# Altium PCB Axiom_Gamma_LSB.PcbDoc (part 4 of 4)
Units mm, origin at the board's own origin, x right, y up, seen from the top; angles counter-clockwise.
Board outline 111 x 121 mm, 4 copper layers (Component Side, Signal Layer, Ground Plane, Solder Side), stack 0.844 mm thick; 55 components, 86 nets, 485 pads, 241 vias.
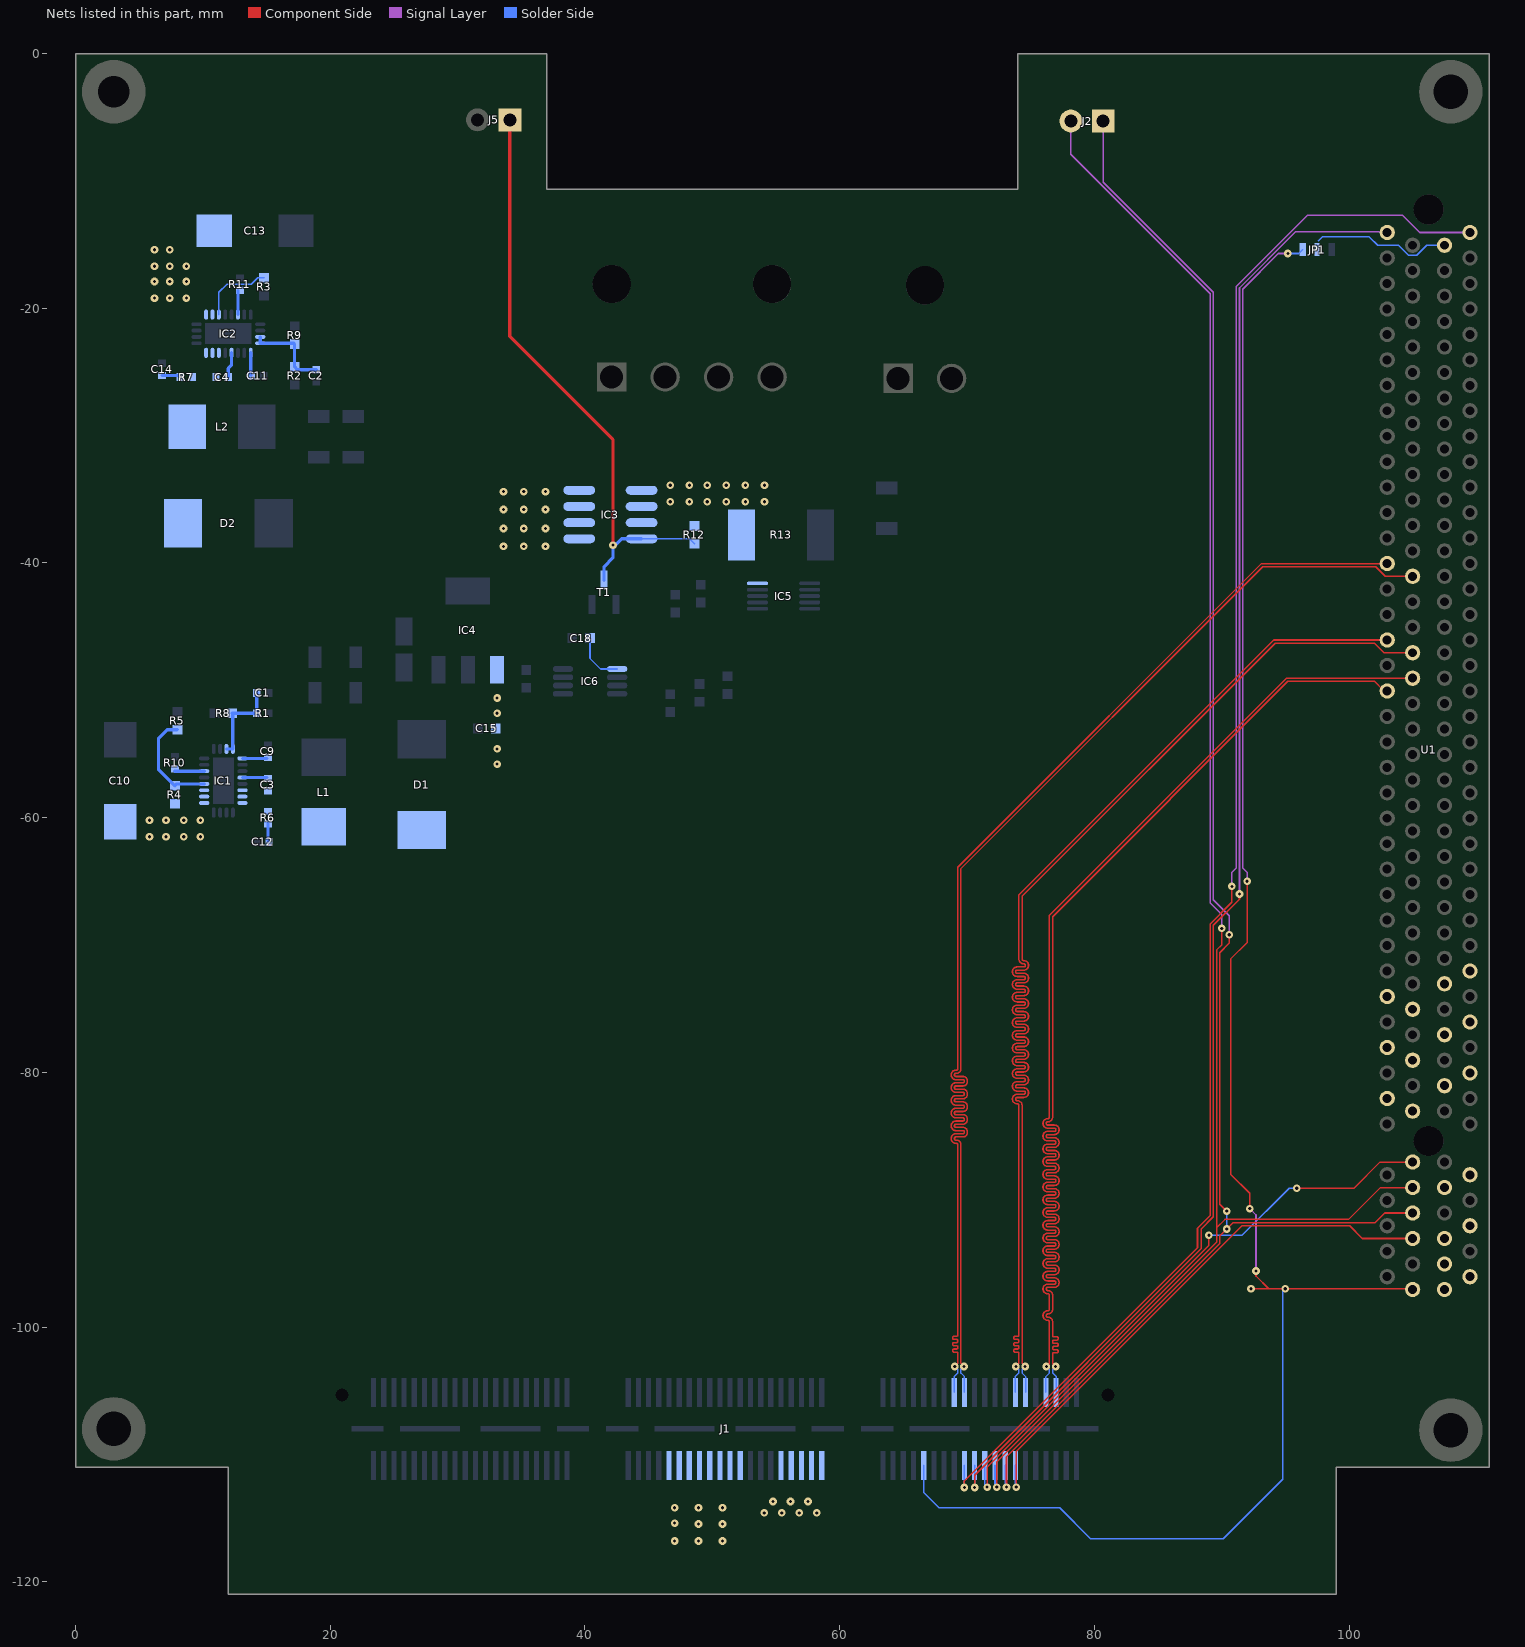
[diagram p6: the nets of this part, all layers, seen from the top]

## Via types
v1: diameter 0.6, hole 0.25, Component Side to Solder Side, 241 vias

## Nets (pads, with @x,y where several pads share a name; then routed paths per layer and width w, separated by ;. In a path a pad name is that pad's centre, name@x,y a point inside that pad or via, vN(x,y) a via of type N, cw(c..) or ccw(c..) an arc to the next point about the centre after c; other vN are vias at no path point) (continued)
LSIOM_LVDS_8_N: J1.14 U1.A50 | length 95.9
  Component Side w0.125: v1(73.839,-103.1) 74.076,-102.862 74.076,-102.1 74.076,-102.062 ccw(c73.989,-102.062) 73.989,-101.975 73.773,-101.975 cw(c73.773,-101.887) 73.685,-101.887 73.685,-101.812 cw(c73.773,-101.812) 73.773,-101.725 73.989,-101.725 ccw(c73.989,-101.637) 74.076,-101.637 74.076,-101.562 ccw(c73.989,-101.562) 73.989,-101.475 73.773,-101.475 cw(c73.773,-101.387) 73.685,-101.387 73.685,-101.312 cw(c73.773,-101.312) 73.773,-101.225 73.989,-101.225 ccw(c73.989,-101.137) 74.076,-101.137 74.076,-101.062 ccw(c73.989,-101.062) 73.989,-100.975 73.773,-100.975 cw(c73.773,-100.887) 73.685,-100.887 73.685,-100.812 cw(c73.773,-100.812) 73.773,-100.725 73.989,-100.725 ccw(c73.989,-100.637) 74.076,-100.637 74.076,-99.9 74.076,-82.6 ccw(c73.951,-82.6) 73.951,-82.475 ; 73.943,-82.475 cw(c73.943,-82.1) 73.568,-82.1 cw(c73.943,-82.1) 73.943,-81.725 74.459,-81.725 ccw(c74.459,-81.6) 74.584,-81.6 ccw(c74.459,-81.6) 74.459,-81.475 73.943,-81.475 cw(c73.943,-81.1) 73.568,-81.1 cw(c73.943,-81.1) 73.943,-80.725 74.459,-80.725 ccw(c74.459,-80.6) 74.584,-80.6 ccw(c74.459,-80.6) 74.459,-80.475 73.943,-80.475 cw(c73.943,-80.1) 73.568,-80.1 cw(c73.943,-80.1) 73.943,-79.725 74.459,-79.725 ccw(c74.459,-79.6) 74.584,-79.6 ccw(c74.459,-79.6) 74.459,-79.475 73.943,-79.475 cw(c73.943,-79.1) 73.568,-79.1 cw(c73.943,-79.1) 73.943,-78.725 74.459,-78.725 ccw(c74.459,-78.6) 74.584,-78.6 ccw(c74.459,-78.6) 74.459,-78.475 73.943,-78.475 cw(c73.943,-78.1) 73.568,-78.1 cw(c73.943,-78.1) 73.943,-77.725 74.459,-77.725 ccw(c74.459,-77.6) 74.584,-77.6 ccw(c74.459,-77.6) 74.459,-77.475 73.943,-77.475 cw(c73.943,-77.1) 73.568,-77.1 cw(c73.943,-77.1) 73.943,-76.725 74.459,-76.725 ccw(c74.459,-76.6) 74.584,-76.6 ccw(c74.459,-76.6) 74.459,-76.475 73.943,-76.475 cw(c73.943,-76.1) 73.568,-76.1 cw(c73.943,-76.1) 73.943,-75.725 74.459,-75.725 ccw(c74.459,-75.6) 74.584,-75.6 ccw(c74.459,-75.6) 74.459,-75.475 73.943,-75.475 cw(c73.943,-75.1) 73.568,-75.1 cw(c73.943,-75.1) 73.943,-74.725 74.459,-74.725 ccw(c74.459,-74.6) 74.584,-74.6 ; 74.451,-71.475 cw(c74.451,-71.1) 74.076,-71.1 74.076,-66.07 94.096,-46.05 102,-46.05 U1.A50@103,-46.05 ; 74.459,-71.475 cw(c74.459,-71.6) 74.584,-71.6 cw(c74.459,-71.6) 74.459,-71.725 73.943,-71.725 ccw(c73.943,-72.1) 73.568,-72.1 ccw(c73.943,-72.1) 73.943,-72.475 74.459,-72.475 cw(c74.459,-72.6) 74.584,-72.6 cw(c74.459,-72.6) 74.459,-72.725 73.943,-72.725 ccw(c73.943,-73.1) 73.568,-73.1 ccw(c73.943,-73.1) 73.943,-73.475 74.459,-73.475 cw(c74.459,-73.6) 74.584,-73.6 cw(c74.459,-73.6) 74.459,-73.725 73.943,-73.725 ccw(c73.943,-74.1) 73.568,-74.1 ccw(c73.943,-74.1) 73.943,-74.475 74.459,-74.475 cw(c74.459,-74.6) 74.584,-74.6
  Solder Side w0.125: J1.14@73.801,-105.135 73.801,-103.893 74.076,-103.618 74.076,-103.3 73.876,-103.1 v1(73.839,-103.1)
LSIOM_LVDS_8_P: J1.12 U1.A49 | length 95.9
  Component Side w0.125: 73.943,-82.225 cw(c73.943,-82.1) 73.818,-82.1 cw(c73.943,-82.1) 73.943,-81.975 74.459,-81.975 ccw(c74.459,-81.6) 74.834,-81.6 ccw(c74.459,-81.6) 74.459,-81.225 73.943,-81.225 cw(c73.943,-81.1) 73.818,-81.1 cw(c73.943,-81.1) 73.943,-80.975 74.459,-80.975 ccw(c74.459,-80.6) 74.834,-80.6 ccw(c74.459,-80.6) 74.459,-80.225 73.943,-80.225 cw(c73.943,-80.1) 73.818,-80.1 cw(c73.943,-80.1) 73.943,-79.975 74.459,-79.975 ccw(c74.459,-79.6) 74.834,-79.6 ccw(c74.459,-79.6) 74.459,-79.225 73.943,-79.225 cw(c73.943,-79.1) 73.818,-79.1 cw(c73.943,-79.1) 73.943,-78.975 74.459,-78.975 ccw(c74.459,-78.6) 74.834,-78.6 ccw(c74.459,-78.6) 74.459,-78.225 73.943,-78.225 cw(c73.943,-78.1) 73.818,-78.1 cw(c73.943,-78.1) 73.943,-77.975 74.459,-77.975 ccw(c74.459,-77.6) 74.834,-77.6 ccw(c74.459,-77.6) 74.459,-77.225 73.943,-77.225 cw(c73.943,-77.1) 73.818,-77.1 cw(c73.943,-77.1) 73.943,-76.975 74.459,-76.975 ccw(c74.459,-76.6) 74.834,-76.6 ccw(c74.459,-76.6) 74.459,-76.225 73.943,-76.225 cw(c73.943,-76.1) 73.818,-76.1 cw(c73.943,-76.1) 73.943,-75.975 74.459,-75.975 ccw(c74.459,-75.6) 74.834,-75.6 ccw(c74.459,-75.6) 74.459,-75.225 73.943,-75.225 cw(c73.943,-75.1) 73.818,-75.1 cw(c73.943,-75.1) 73.943,-74.975 74.459,-74.975 ccw(c74.459,-74.6) 74.834,-74.6 ; 73.951,-82.225 cw(c73.951,-82.6) 74.326,-82.6 74.326,-99.9 74.326,-100.637 74.326,-101.062 74.326,-101.137 74.326,-101.562 74.326,-101.637 74.326,-102.062 74.326,-102.1 74.326,-102.863 v1(74.564,-103.1) ; 74.451,-71.225 cw(c74.451,-71.1) 74.326,-71.1 74.326,-66.174 94.2,-46.3 102,-46.3 102.75,-47.05 U1.A49@105,-47.05 ; 74.459,-71.225 cw(c74.459,-71.6) 74.834,-71.6 cw(c74.459,-71.6) 74.459,-71.975 73.943,-71.975 ccw(c73.943,-72.1) 73.818,-72.1 ccw(c73.943,-72.1) 73.943,-72.225 74.459,-72.225 cw(c74.459,-72.6) 74.834,-72.6 cw(c74.459,-72.6) 74.459,-72.975 73.943,-72.975 ccw(c73.943,-73.1) 73.818,-73.1 ccw(c73.943,-73.1) 73.943,-73.225 74.459,-73.225 cw(c74.459,-73.6) 74.834,-73.6 cw(c74.459,-73.6) 74.459,-73.975 73.943,-73.975 ccw(c73.943,-74.1) 73.818,-74.1 ccw(c73.943,-74.1) 73.943,-74.225 74.459,-74.225 cw(c74.459,-74.6) 74.834,-74.6
  Solder Side w0.125: v1(74.564,-103.1) 74.526,-103.1 74.326,-103.3 74.326,-103.618 74.601,-103.893 J1.12@74.601,-105.135
LSIOM_LVDS_9_N: J1.8 U1.A47 | length 96
  Component Side w0.125: v1(76.239,-103.1) 76.476,-102.862 76.476,-100.687 76.476,-99.6 ccw(c76.351,-99.6) 76.351,-99.475 ; 76.343,-99.475 cw(c76.343,-99.1) 75.968,-99.1 cw(c76.343,-99.1) 76.343,-98.725 ; 76.343,-97.387 cw(c76.343,-97.012) 75.968,-97.012 cw(c76.343,-97.012) 76.343,-96.637 76.859,-96.637 ccw(c76.859,-96.512) 76.984,-96.512 ccw(c76.859,-96.512) 76.859,-96.387 76.343,-96.387 cw(c76.343,-96.012) 75.968,-96.012 cw(c76.343,-96.012) 76.343,-95.637 76.859,-95.637 ccw(c76.859,-95.512) 76.984,-95.512 ccw(c76.859,-95.512) 76.859,-95.387 76.343,-95.387 cw(c76.343,-95.012) 75.968,-95.012 cw(c76.343,-95.012) 76.343,-94.637 76.859,-94.637 ccw(c76.859,-94.512) 76.984,-94.512 ccw(c76.859,-94.512) 76.859,-94.387 76.343,-94.387 cw(c76.343,-94.012) 75.968,-94.012 cw(c76.343,-94.012) 76.343,-93.637 76.859,-93.637 ccw(c76.859,-93.512) 76.984,-93.512 ccw(c76.859,-93.512) 76.859,-93.387 76.343,-93.387 cw(c76.343,-93.012) 75.968,-93.012 cw(c76.343,-93.012) 76.343,-92.637 76.859,-92.637 ccw(c76.859,-92.512) 76.984,-92.512 ccw(c76.859,-92.512) 76.859,-92.387 76.343,-92.387 cw(c76.343,-92.012) 75.968,-92.012 cw(c76.343,-92.012) 76.343,-91.637 76.859,-91.637 ccw(c76.859,-91.512) 76.984,-91.512 ccw(c76.859,-91.512) 76.859,-91.387 76.343,-91.387 cw(c76.343,-91.012) 75.968,-91.012 cw(c76.343,-91.012) 76.343,-90.637 76.859,-90.637 ccw(c76.859,-90.512) 76.984,-90.512 ccw(c76.859,-90.512) 76.859,-90.387 76.343,-90.387 cw(c76.343,-90.012) 75.968,-90.012 cw(c76.343,-90.012) 76.343,-89.637 76.859,-89.637 ccw(c76.859,-89.512) 76.984,-89.512 ccw(c76.859,-89.512) 76.859,-89.387 76.343,-89.387 cw(c76.343,-89.012) 75.968,-89.012 cw(c76.343,-89.012) 76.343,-88.637 76.859,-88.637 ccw(c76.859,-88.512) 76.984,-88.512 ccw(c76.859,-88.512) 76.859,-88.387 76.343,-88.387 cw(c76.343,-88.012) 75.968,-88.012 cw(c76.343,-88.012) 76.343,-87.637 76.859,-87.637 ccw(c76.859,-87.512) 76.984,-87.512 ccw(c76.859,-87.512) 76.859,-87.387 76.343,-87.387 cw(c76.343,-87.012) 75.968,-87.012 cw(c76.343,-87.012) 76.343,-86.637 76.859,-86.637 ccw(c76.859,-86.512) 76.984,-86.512 ccw(c76.859,-86.512) 76.859,-86.387 76.343,-86.387 cw(c76.343,-86.012) 75.968,-86.012 cw(c76.343,-86.012) 76.343,-85.637 76.859,-85.637 ccw(c76.859,-85.512) 76.984,-85.512 ccw(c76.859,-85.512) 76.859,-85.387 76.343,-85.387 cw(c76.343,-85.012) 75.968,-85.012 cw(c76.343,-85.012) 76.343,-84.637 76.859,-84.637 ccw(c76.859,-84.512) 76.984,-84.512 ccw(c76.859,-84.512) 76.859,-84.387 76.343,-84.387 cw(c76.343,-84.012) 75.968,-84.012 cw(c76.343,-84.012) 76.343,-83.637 ; 76.351,-98.725 ccw(c76.351,-98.6) 76.476,-98.6 76.476,-98.2 76.476,-97.512 ccw(c76.351,-97.512) 76.351,-97.387 ; 76.351,-83.637 ccw(c76.351,-83.512) 76.476,-83.512 76.476,-67.67 95.096,-49.05 102,-49.05 U1.A47@105,-49.05
  Solder Side w0.125: J1.8@76.201,-105.135 76.201,-103.893 76.476,-103.618 76.476,-103.337 v1(76.239,-103.1)
LSIOM_LVDS_9_P: J1.6 U1.A46 | length 96
  Component Side w0.125: 76.343,-99.225 cw(c76.343,-99.1) 76.218,-99.1 cw(c76.343,-99.1) 76.343,-98.975 ; 76.343,-97.137 cw(c76.343,-97.012) 76.218,-97.012 cw(c76.343,-97.012) 76.343,-96.887 76.859,-96.887 ccw(c76.859,-96.512) 77.234,-96.512 ccw(c76.859,-96.512) 76.859,-96.137 76.343,-96.137 cw(c76.343,-96.012) 76.218,-96.012 cw(c76.343,-96.012) 76.343,-95.887 76.859,-95.887 ccw(c76.859,-95.512) 77.234,-95.512 ccw(c76.859,-95.512) 76.859,-95.137 76.343,-95.137 cw(c76.343,-95.012) 76.218,-95.012 cw(c76.343,-95.012) 76.343,-94.887 76.859,-94.887 ccw(c76.859,-94.512) 77.234,-94.512 ccw(c76.859,-94.512) 76.859,-94.137 76.343,-94.137 cw(c76.343,-94.012) 76.218,-94.012 cw(c76.343,-94.012) 76.343,-93.887 76.859,-93.887 ccw(c76.859,-93.512) 77.234,-93.512 ccw(c76.859,-93.512) 76.859,-93.137 76.343,-93.137 cw(c76.343,-93.012) 76.218,-93.012 cw(c76.343,-93.012) 76.343,-92.887 76.859,-92.887 ccw(c76.859,-92.512) 77.234,-92.512 ccw(c76.859,-92.512) 76.859,-92.137 76.343,-92.137 cw(c76.343,-92.012) 76.218,-92.012 cw(c76.343,-92.012) 76.343,-91.887 76.859,-91.887 ccw(c76.859,-91.512) 77.234,-91.512 ccw(c76.859,-91.512) 76.859,-91.137 76.343,-91.137 cw(c76.343,-91.012) 76.218,-91.012 cw(c76.343,-91.012) 76.343,-90.887 76.859,-90.887 ccw(c76.859,-90.512) 77.234,-90.512 ccw(c76.859,-90.512) 76.859,-90.137 76.343,-90.137 cw(c76.343,-90.012) 76.218,-90.012 cw(c76.343,-90.012) 76.343,-89.887 76.859,-89.887 ccw(c76.859,-89.512) 77.234,-89.512 ccw(c76.859,-89.512) 76.859,-89.137 76.343,-89.137 cw(c76.343,-89.012) 76.218,-89.012 cw(c76.343,-89.012) 76.343,-88.887 76.859,-88.887 ccw(c76.859,-88.512) 77.234,-88.512 ccw(c76.859,-88.512) 76.859,-88.137 76.343,-88.137 cw(c76.343,-88.012) 76.218,-88.012 cw(c76.343,-88.012) 76.343,-87.887 76.859,-87.887 ccw(c76.859,-87.512) 77.234,-87.512 ccw(c76.859,-87.512) 76.859,-87.137 76.343,-87.137 cw(c76.343,-87.012) 76.218,-87.012 cw(c76.343,-87.012) 76.343,-86.887 76.859,-86.887 ccw(c76.859,-86.512) 77.234,-86.512 ccw(c76.859,-86.512) 76.859,-86.137 76.343,-86.137 cw(c76.343,-86.012) 76.218,-86.012 cw(c76.343,-86.012) 76.343,-85.887 76.859,-85.887 ccw(c76.859,-85.512) 77.234,-85.512 ccw(c76.859,-85.512) 76.859,-85.137 76.343,-85.137 cw(c76.343,-85.012) 76.218,-85.012 cw(c76.343,-85.012) 76.343,-84.887 76.859,-84.887 ccw(c76.859,-84.512) 77.234,-84.512 ccw(c76.859,-84.512) 76.859,-84.137 76.343,-84.137 cw(c76.343,-84.012) 76.218,-84.012 cw(c76.343,-84.012) 76.343,-83.887 ; 76.351,-99.225 cw(c76.351,-99.6) 76.726,-99.6 76.726,-100.687 ccw(c76.814,-100.687) 76.814,-100.775 77.065,-100.775 cw(c77.065,-100.862) 77.152,-100.862 77.152,-100.937 cw(c77.065,-100.937) 77.065,-101.025 76.814,-101.025 ccw(c76.814,-101.112) 76.726,-101.112 76.726,-101.187 ccw(c76.814,-101.187) 76.814,-101.275 77.065,-101.275 cw(c77.065,-101.362) 77.152,-101.362 77.152,-101.437 cw(c77.065,-101.437) 77.065,-101.525 76.814,-101.525 ccw(c76.814,-101.612) 76.726,-101.612 76.726,-101.687 ccw(c76.814,-101.687) 76.814,-101.775 77.065,-101.775 cw(c77.065,-101.862) 77.152,-101.862 77.152,-101.937 cw(c77.065,-101.937) 77.065,-102.025 76.814,-102.025 ccw(c76.814,-102.112) 76.726,-102.112 76.726,-102.275 76.726,-102.4 76.726,-102.863 v1(76.964,-103.1) ; 76.351,-98.975 ccw(c76.351,-98.6) 76.726,-98.6 76.726,-98.2 76.726,-97.512 ccw(c76.351,-97.512) 76.351,-97.137 ; 76.351,-83.887 ccw(c76.351,-83.512) 76.726,-83.512 76.726,-67.774 95.2,-49.3 102,-49.3 102.75,-50.05 U1.A46@103,-50.05
  Solder Side w0.125: v1(76.964,-103.1) 76.726,-103.337 76.726,-103.618 77.001,-103.893 J1.6@77.001,-105.135
LSIOM_LVDS_SSCLK_N: J1.26 U1.A56 | length 95.9
  Component Side w0.125: v1@69.076,-103.1 v1(69.039,-103.1) 69.276,-102.862 69.276,-102.1 69.276,-102.062 ccw(c69.189,-102.062) 69.189,-101.975 68.979,-101.975 cw(c68.979,-101.887) 68.892,-101.887 68.892,-101.812 cw(c68.979,-101.812) 68.979,-101.725 69.189,-101.725 ccw(c69.189,-101.637) 69.276,-101.637 69.276,-101.562 ccw(c69.189,-101.562) 69.189,-101.475 68.979,-101.475 cw(c68.979,-101.387) 68.892,-101.387 68.892,-101.312 cw(c68.979,-101.312) 68.979,-101.225 69.189,-101.225 ccw(c69.189,-101.137) 69.276,-101.137 69.276,-101.062 ccw(c69.189,-101.062) 69.189,-100.975 68.979,-100.975 cw(c68.979,-100.887) 68.892,-100.887 68.892,-100.812 cw(c68.979,-100.812) 68.979,-100.725 69.189,-100.725 ccw(c69.189,-100.637) 69.276,-100.637 69.276,-98.2 69.276,-85.675 ccw(c69.176,-85.675) 69.176,-85.575 69.118,-85.575 cw(c69.118,-85.225) 68.768,-85.225 68.768,-85.175 cw(c69.118,-85.175) 69.118,-84.825 69.684,-84.825 ccw(c69.684,-84.725) 69.784,-84.725 69.784,-84.675 ccw(c69.684,-84.675) 69.684,-84.575 69.118,-84.575 cw(c69.118,-84.225) 68.768,-84.225 68.768,-84.175 cw(c69.118,-84.175) 69.118,-83.825 69.684,-83.825 ccw(c69.684,-83.725) 69.784,-83.725 69.784,-83.675 ccw(c69.684,-83.675) 69.684,-83.575 69.118,-83.575 cw(c69.118,-83.225) 68.768,-83.225 68.768,-83.175 cw(c69.118,-83.175) 69.118,-82.825 69.684,-82.825 ccw(c69.684,-82.725) 69.784,-82.725 69.784,-82.675 ccw(c69.684,-82.675) 69.684,-82.575 69.118,-82.575 cw(c69.118,-82.225) 68.768,-82.225 68.768,-82.175 cw(c69.118,-82.175) 69.118,-81.825 69.684,-81.825 ccw(c69.684,-81.725) 69.784,-81.725 69.784,-81.675 ccw(c69.684,-81.675) 69.684,-81.575 69.118,-81.575 cw(c69.118,-81.225) 68.768,-81.225 68.768,-81.175 cw(c69.118,-81.175) 69.118,-80.825 69.684,-80.825 ccw(c69.684,-80.725) 69.784,-80.725 69.784,-80.675 ccw(c69.684,-80.675) 69.684,-80.575 69.118,-80.575 cw(c69.118,-80.225) 68.768,-80.225 68.768,-80.175 cw(c69.118,-80.175) 69.118,-79.825 69.176,-79.825 ccw(c69.176,-79.725) 69.276,-79.725 69.276,-63.896 93.123,-40.05 102.1,-40.05 U1.A56@103,-40.05
  Solder Side w0.125: J1.26@69.001,-105.135 69.001,-103.893 69.276,-103.618 69.276,-103.3 69.076,-103.1 v1(69.039,-103.1)
LSIOM_LVDS_SSCLK_P: J1.24 U1.A55 | length 95.9
  Component Side w0.125: v1(69.764,-103.1) 69.526,-102.863 69.526,-102.1 69.526,-102.062 69.526,-101.637 69.526,-101.562 69.526,-101.137 69.526,-101.062 69.526,-100.637 69.526,-98.2 69.526,-85.675 ccw(c69.176,-85.675) 69.176,-85.325 69.118,-85.325 cw(c69.118,-85.225) 69.018,-85.225 69.018,-85.175 cw(c69.118,-85.175) 69.118,-85.075 69.684,-85.075 ccw(c69.684,-84.725) 70.034,-84.725 70.034,-84.675 ccw(c69.684,-84.675) 69.684,-84.325 69.118,-84.325 cw(c69.118,-84.225) 69.018,-84.225 69.018,-84.175 cw(c69.118,-84.175) 69.118,-84.075 69.684,-84.075 ccw(c69.684,-83.725) 70.034,-83.725 70.034,-83.675 ccw(c69.684,-83.675) 69.684,-83.325 69.118,-83.325 cw(c69.118,-83.225) 69.018,-83.225 69.018,-83.175 cw(c69.118,-83.175) 69.118,-83.075 69.684,-83.075 ccw(c69.684,-82.725) 70.034,-82.725 70.034,-82.675 ccw(c69.684,-82.675) 69.684,-82.325 69.118,-82.325 cw(c69.118,-82.225) 69.018,-82.225 69.018,-82.175 cw(c69.118,-82.175) 69.118,-82.075 69.684,-82.075 ccw(c69.684,-81.725) 70.034,-81.725 70.034,-81.675 ccw(c69.684,-81.675) 69.684,-81.325 69.118,-81.325 cw(c69.118,-81.225) 69.018,-81.225 69.018,-81.175 cw(c69.118,-81.175) 69.118,-81.075 69.684,-81.075 ccw(c69.684,-80.725) 70.034,-80.725 70.034,-80.675 ccw(c69.684,-80.675) 69.684,-80.325 69.118,-80.325 cw(c69.118,-80.225) 69.018,-80.225 69.018,-80.175 cw(c69.118,-80.175) 69.118,-80.075 69.176,-80.075 ccw(c69.176,-79.725) 69.526,-79.725 69.526,-64 93.226,-40.3 102.1,-40.3 102.85,-41.05 U1.A55@105,-41.05
  Solder Side w0.125: v1(69.764,-103.1) 69.726,-103.1 69.526,-103.3 69.526,-103.618 69.801,-103.893 J1.24@69.801,-105.135
LSIOM_PRSNT: JP1.2 U1.B81 | length 11
  Solder Side w0.125: JP1.2@97.46,-15.036 JP1.2@97.474,-15.05 ; 97.6,-14.7 97.9,-14.4 101.6,-14.4 102.25,-15.05 103.886,-15.05 104.674,-15.838 105.326,-15.838 106.114,-15.05 U1.B81@107.5,-15.05
LSIOM_SCL: J1.21 U1.A82 | length 118
  Component Side w0.125: v1@70.6,-112.5 v1(70.6,-112.6) 70.6,-111.632 88.4,-93.832 88.4,-92.3 89.35,-91.35 89.35,-68.45 91.4,-66.4 v1(91.4,-66)
  Signal Layer w0.125: v1(91.4,-66) 91.4,-18.4 95.8,-14 U1.A82@102.95,-14
  Solder Side w0.125: v1@70.601,-112.599 J1.21@70.601,-110.865
LSIOM_SDA: J1.23 U1.B82 | length 126.2
  Component Side w0.125: v1@69.8,-112.5 v1(69.8,-112.6) 69.8,-112.079 88.1,-93.779 88.1,-92.246 89.1,-91.246 89.1,-68.346 90.8,-66.647 v1(90.8,-65.4)
  Signal Layer w0.125: v1(90.8,-65.4) 90.8,-64.3 91.15,-63.95 91.15,-18.296 96.746,-12.7 104.2,-12.7 105.55,-14.05 U1.B82@109.5,-14.05
  Solder Side w0.125: v1@69.801,-112.599 J1.23@69.801,-110.865
LSIOM_TCK: J1.13 U1.A5 | length 43.3
  Component Side w0.125: v1(73.866,-112.572) 73.866,-109.78 91.596,-92.05 100.05,-92.05 101.05,-93.05 U1.A5@105,-93.05
  Solder Side w0.125: v1@73.801,-112.507 J1.13@73.801,-110.865
LSIOM_TDI: J1.15 J2.1 U1.A7 | length 135.9
  Component Side w0.125: v1(73.104,-112.572) 73.104,-110.189 89.85,-93.443 89.85,-92.85 v1(90.4,-92.3) 90.9,-91.8 102.06,-91.8 102.81,-91.05 U1.A7@105,-91.05 ; v1(90.4,-90.9) 89.85,-90.35 89.85,-70.6 90.6,-69.85 v1(90.6,-69.2)
  Signal Layer w0.125: J2.1@80.7,-5.3 80.7,-10.1 89.35,-18.75 89.35,-66.45 90.6,-67.7 v1(90.6,-69.2) ; v1(90.4,-92.3) 90.5,-92.2 v1@90.4,-92.1
  Solder Side w0.125: v1@73.001,-112.469 J1.15@73.001,-110.865 ; v1@90.4,-92.1 v1(90.4,-90.9)
LSIOM_TDO: J1.17 J2.2 U1.A9 | length 137.8
  Component Side w0.125: v1(72.342,-112.572) 72.342,-110.597 89.6,-93.339 89.6,-92.211 ; v1(90,-68.7) 90,-70 89.6,-70.4 89.6,-92.211 ; U1.A9@105,-89.05 102.468,-89.05 99.968,-91.55 90.261,-91.55 89.6,-92.211
  Signal Layer w0.125: J2.2@78.16,-5.3 78.16,-7.914 89.1,-18.854 89.1,-66.7 90,-67.6 v1(90,-68.7)
  Solder Side w0.125: v1@72.201,-112.431 J1.17@72.201,-110.865
LSIOM_TMS: J1.19 U1.A11 | length 46.9
  Component Side w0.125: v1(71.58,-112.572) 71.58,-111.006 89,-93.586 v1(89,-92.8) ; v1(95.9,-89.1) 100.386,-89.1 102.436,-87.05 U1.A11@105,-87.05
  Solder Side w0.125: v1@71.401,-112.393 J1.19@71.401,-110.865 ; v1(89,-92.8) 91.6,-92.8 95.3,-89.1 v1(95.9,-89.1)
NetC1_2: C1.2 IC1.23 IC1.24 R1.1 R8.1 | length 6.8
  Solder Side w0.254: IC1.23@11.85,-54.6 IC1.24@12.35,-54.6 R8.1@12.35,-51.851 ; R8.1@12.298,-51.8 R1.1@14.22,-51.8 C1.2@14.22,-50.2
NetC2_2: C2.2 IC2.23 IC2.24 R2.2 R9.2 | length 6.7
  Solder Side w0.254: IC2.23@14.5,-22.25 IC2.24@14.5,-22.75 R9.2@17.151,-22.75 ; R9.2@17.2,-22.798 R2.2@17.2,-24.602 17.418,-24.82 C2.2@18.9,-24.82
NetC3_1: C3.1 D1.C IC1.6 IC1.7 IC1.8 L1.1 R6.2
NetC3_2: C3.2 IC1.4 | length 1.9
  Solder Side w0.254: IC1.4@13.1,-56.85 C3.2@15.03,-56.85
NetC4_1: C4.1 D2.C IC2.6 IC2.7 IC2.8 L2.1 R7.2
NetC4_2: C4.2 IC2.4 | length 2
  Solder Side w0.254: C4.2@11.98,-25.4 11.98,-24.72 12.25,-24.45 IC2.4@12.25,-23.5
NetC9_2: C9.2 IC1.1 | length 1.9
  Solder Side w0.254: IC1.1@13.1,-55.35 C9.2@15.03,-55.35
NetC11_2: C11.2 IC2.1 | length 1.8
  Solder Side w0.125: C11.2@13.75,-25.23 C11.2@13.82,-25.3
  Solder Side w0.254: C11.2@13.75,-25.23 IC2.1@13.75,-23.5
NetC12_2: C12.2 R6.1 | length 1.3
  Solder Side w0.254: C12.2@15.1,-61.82 R6.1@15.1,-60.48
NetC14_2: C14.2 R7.1 | length 1.5
  Solder Side w0.254: C14.2@6.8,-25.28 8.1,-25.28 R7.1@8.22,-25.4
NetC18_1: C18.1 IC6.5 | length 4.1
  Solder Side w0.125: C18.1@40.398,-45.9 40.398,-47.498 41.225,-48.325 IC6.5@42.525,-48.325
NetIC1_16: IC1.16 R4.1 R5.2 | length 8.4
  Solder Side w0.254: R5.2@7.978,-53.076 7.955,-53.098 7.202,-53.098 6.502,-53.799 6.502,-56.203 R4.1@7.8,-57.502 7.952,-57.35 IC1.16@10.1,-57.35
NetIC1_18: IC1.18 R10.2 | length 2.3
  Solder Side w0.254: R10.2@7.77,-56.35 IC1.18@10.1,-56.35
NetIC2_18: IC2.18 R11.2 | length 1.9
  Solder Side w0.254: IC2.18@12.75,-20.5 R11.2@12.75,-18.63
NetIC3_4: IC3.4 J5.1 R12.1 T1.3 | length 46.6
  Component Side w0.254: J5.1@34.1,-5.2 34.1,-22.2 42.198,-30.298 v1(42.198,-38.6)
  Solder Side w0.125: IC3.4@44.45,-38.105 48.206,-38.105 R12.1@48.6,-38.499
  Solder Side w0.254: T1.3@41.5,-41.35 41.5,-40.3 42.198,-39.602 v1@42.198,-38.803 ; v1(42.198,-38.6) v1@42.198,-38.803 ; IC3.4@44.45,-38.105 42.895,-38.105 v1@42.198,-38.803
VCC_3.3: J1.31 JP1.3 U1.A1 | length 149.2
  Component Side w0.125: v1(92,-65) 92,-69.8 90.7,-71.1 90.7,-88 92.2,-89.5 v1(92.2,-90.7) ; v1(92.3,-97) U1.A1@104.95,-97 ; v1(92.7,-95.6) 92.7,-96 93.7,-97 v1(95,-97)
  Signal Layer w0.125: v1(92,-65) 92,-64.3 91.65,-63.95 91.65,-18.504 94.454,-15.7 v1(95.2,-15.7) ; v1(92.2,-90.7) 92.7,-91.2 v1(92.7,-95.6) ; v1(92.3,-97) v1@92.35,-96.95
  Solder Side w0.125: J1.31@66.601,-110.865 66.601,-112.999 67.803,-114.2 77.282,-114.2 79.706,-116.624 90.124,-116.624 94.8,-111.948 94.8,-97.2 v1(95,-97) ; v1(95.2,-15.7) 96.057,-15.7 JP1.3@96.357,-15.4
VCC_7.4_LSIOM: J1.41 J1.43 J1.45 J1.47 J1.49 U1.B1 U1.B2 U1.B3 U1.B5 U1.B6 U1.B9 U1.B10
  other v1: 54.086,-114.6 55.457,-114.6 56.829,-114.6 58.2,-114.6 54.771,-113.7 56.143,-113.7 57.514,-113.7
VCC_BACKPLANE: IC3.5 IC3.6 IC3.7 IC3.8 U1.A13 U1.A14 U1.A17 U1.A18 U1.A21 U1.A22 U1.B15 U1.B16 U1.B19 U1.B20 U1.B23 U1.B24
  other v1: 33.6,-38.7 35.2,-38.7 36.9,-38.7 33.6,-37.3 35.2,-37.3 36.9,-37.3 33.6,-35.8 35.2,-35.8 36.9,-35.8 33.6,-34.4 35.2,-34.4 36.9,-34.4
VCC_BATT: C10.1 C13.1 C15.1 IC1.13 IC1.14 IC1.15 IC2.13 IC2.14 IC2.15 IC3.1 IC3.2 IC3.3 IC4.1 IC5.10 J1.57 J1.59 J1.61 J1.63 J1.65 J1.67 J1.69 J1.71 R3.2 R4.2 R12.2 R13.2 | length 5.8
  Solder Side w0.125: IC2.15@11.25,-20.5 11.25,-18.75 11.893,-18.107 13.8,-18.107 14.306,-17.601 R3.2@14.8,-17.601
  other v1: 47.04,-116.8 48.92,-116.8 50.8,-116.8 48.92,-115.467 50.8,-115.467 47.04,-115.4 47.04,-114.197 48.92,-114.197 50.8,-114.2 5.8,-61.5 7.1,-61.5 8.5,-61.5 9.8,-61.5 5.8,-60.2 7.1,-60.2 8.5,-60.2 9.8,-60.2 33.1,-55.8 33.1,-54.6 33.1,-51.8 33.1,-50.6 46.7,-35.2 48.2,-35.2 49.6,-35.2 51.1,-35.2 52.6,-35.2 54.1,-35.2 46.7,-33.9 48.2,-33.9 49.6,-33.9 51.1,-33.9 52.6,-33.9 54.1,-33.9 6.2,-19.2 7.4,-19.2 8.7,-19.2 6.2,-17.9 7.4,-17.9 8.7,-17.9 6.2,-16.7 7.4,-16.7 8.7,-16.7 6.2,-15.4 7.4,-15.4
pads on no net: IC1.3 IC1.5 IC1.9 IC1.10 IC1.11 IC1.12 IC1.17 IC1.19 IC1.22 IC2.3 IC2.5 IC2.9 IC2.10 IC2.11 IC2.12 IC2.17 IC2.22 IC5.8 J1.0 J1.2 J1.25 J1.27 J1.29 J1.42 J1.51 J1.53 J1.55 J1.73 J1.75 J1.81 J1.82 J1.85 J1.86 J1.87 J1.88 J3. J4. U1. U1.A25 U1.A26 U1.A29 U1.A30 U1.A33 U1.A34 U1.A37 U1.A38 U1.A41 U1.A42 U1.A79 U1.A80 U1.B11 U1.B27 U1.B28 U1.B31 U1.B32 U1.B35 U1.B36 U1.B39 U1.B40 U1.B43 U1.B44

## Polygon pours and split planes (outlines as drawn)
VCC_BATT on Signal Layer "Signal Layer-No Net" (solid, pour order 56): 51.6,-118.7 13.4,-118.7 13.4,-105.7 13.4,-103 1.6,-103 4.3,-103 4.3,-59.5 10.7,-59.5 10.7,-95.2 10.7,-96.9 17.4,-96.9 19,-96.9 19,-113.9 19,-113.5 51.6,-113.5
VCC_7.4_LSIOM on Signal Layer "Signal Layer-No Net" (solid, pour order 62): 18 vertices, not listed, extent 52.5,-118 110.5,-87
VCC_BATT on Signal Layer "Signal Layer-No Net" (solid, pour order 65): 4.3,-62.6 4.3,-14.2 9.9,-14.2 10.7,-14.2 10.7,-62.6
VCC_BATT on Signal Layer "Signal Layer-No Net" (solid, pour order 68): 54.9,-36 54.9,-28.9 43,-28.9 8.7,-28.9 8.7,-33.6 8.7,-32.8 37.5,-32.8 45.1,-32.8 45.1,-36
VCC_BACKPLANE on Signal Layer "Signal Layer-No Net" (solid, pour order 73): 19 vertices, not listed, extent 32.5,-84 110.5,-33.5
VCC_BATT on Signal Layer "Signal Layer-No Net" (solid, pour order 74): 32,-50 34,-50 34,-58.5 34,-62.5 8.4,-62.5 8.4,-59.5 28,-59.5 31.5,-59.5 31.5,-50
GND on Solder Side "Signal Layer-No Net" (solid, pour order 60): 19.6,-9.8 14.9,-9.8 14.9,-15.9 14.9,-15.747 19.6,-15.747
2V on Solder Side "Signal Layer-No Net" (solid, pour order 81): 19 vertices, not listed, extent 17.5,-45.9 43.7,-23.5
no net on Solder Side "AntmicroLogo" (solid, pour order 70): 14.066,-70.877 17.76,-70.877 17.959,-70.296 18.034,-69.547 18.026,-69.336 18.013,-69.207 17.536,-69.351 17.585,-69.539 17.601,-69.749 17.578,-70.008 17.5,-70.24 14.066,-70.24
no net on Solder Side "AntmicroLogo" (solid, pour order 67): 39 vertices, not listed, extent 14.028,-74.148 18.069,-71.762
no net on Solder Side "AntmicroLogo" (solid, pour order 64): 14.066,-75.565 14.066,-74.929 17.962,-74.929 17.962,-75.565
no net on Solder Side "AntmicroLogo" (solid, pour order 58): 24 vertices, not listed, extent 14.096,-84.236 19.12,-82.472
no net on Solder Side "AntmicroLogo" (solid, pour order 55): 19 vertices, not listed, extent 14.066,-87.806 18.034,-84.973
no net on Solder Side "AntmicroLogo" (solid, pour order 53): 34 vertices, not listed, extent 14.057,-91.363 18.098,-88.587
no net on Solder Side "AntmicroLogo" (solid, pour order 61): 113 vertices, not listed, extent 14.06,-81.415 18.04,-76.401
no net on Solder Side "AntmicroLogo" (solid, pour order 72): 33 vertices, not listed, extent 14.047,-68.727 18.088,-65.647
no net on Solder Side "AntmicroLogo" (solid, pour order 80): 319 vertices, not listed, extent 10.676,-102.007 21.859,-92.244
no net on Solder Side "AntmicroLogo" (solid, pour order 78): 205 vertices, not listed, extent -109.897,-98.91 18.558,-55.262
12V on Solder Side "Signal Layer-No Net" (solid, pour order 86): 12.8,-27.5 16.6,-27.5 16.6,-25.4 23.4,-25.4 23.4,-29.7 16.2,-29.7 16,-29.7 16,-31.1 12.8,-31.1
VCC_BATT on Solder Side "Signal Layer-No Net" (solid, pour order 90): 11.4,-20.9 11.4,-15.7 13.2,-15.7 13.2,-12.2 13.2,-12 4.9,-12 5.1,-12 5.1,-20.6 5.1,-20.9 11.4,-20.9
NetC4_1 on Solder Side "Signal Layer-No Net" (solid, pour order 92): 10.7,-40 5.8,-40 5.8,-26.8 5.8,-26.4 8.9,-26.4 8.8,-26.4 8.8,-23.2 8.8,-23 11.4,-23 11.4,-26.6 11.4,-40 10.6,-40
VCC_7.4_LSIOM on Solder Side "Signal Layer-No Net" (solid, pour order 98): 55.2,-109.7 55.2,-113 53.7,-113 53.3,-113 53.3,-115.3 53.3,-115.5 59,-115.5 59,-109.7
VCC_BATT on Solder Side "Signal Layer-No Net" (solid, pour order 100): 46.4,-109.7 46.4,-117.3 51.5,-117.3 52.4,-117.3 52.4,-109.7
no net on Bottom Solder "AntmicroLogo" (solid, pour order 14): 14.066,-70.877 17.76,-70.877 17.959,-70.296 18.034,-69.547 18.026,-69.336 18.013,-69.207 17.536,-69.351 17.585,-69.539 17.601,-69.749 17.578,-70.008 17.5,-70.24 14.066,-70.24
no net on Bottom Solder "AntmicroLogo" (solid, pour order 12): 39 vertices, not listed, extent 14.028,-74.148 18.069,-71.762
no net on Bottom Solder "AntmicroLogo" (solid, pour order 10): 14.066,-75.565 14.066,-74.929 17.962,-74.929 17.962,-75.565
no net on Bottom Solder "AntmicroLogo" (solid, pour order 6): 24 vertices, not listed, extent 14.096,-84.236 19.12,-82.472
no net on Bottom Solder "AntmicroLogo" (solid, pour order 4): 19 vertices, not listed, extent 14.066,-87.806 18.034,-84.973
no net on Bottom Solder "AntmicroLogo" (solid, pour order 2): 34 vertices, not listed, extent 14.057,-91.363 18.098,-88.587
no net on Bottom Solder "AntmicroLogo" (solid, pour order 8): 113 vertices, not listed, extent 14.06,-81.415 18.04,-76.401
no net on Bottom Solder "AntmicroLogo" (solid, pour order 16): 33 vertices, not listed, extent 14.042,-68.733 18.083,-65.653
no net on Bottom Solder "AntmicroLogo" (solid, pour order 34): 319 vertices, not listed, extent 10.674,-102.005 21.856,-92.242
no net on Bottom Solder "AntmicroLogo" (solid, pour order 18): 205 vertices, not listed, extent -109.897,-98.908 18.556,-55.262
no net on Component Side "AntmicroLogo" (solid, pour order 79): 319 vertices, not listed, extent 1.868,-101.98 13.051,-92.217
no net on Component Side "AntmicroLogo" (solid, pour order 71): 33 vertices, not listed, extent 5.639,-68.7 9.68,-65.62
no net on Component Side "AntmicroLogo" (solid, pour order 59): 113 vertices, not listed, extent 5.687,-81.388 9.667,-76.374
no net on Component Side "AntmicroLogo" (solid, pour order 52): 34 vertices, not listed, extent 5.629,-91.336 9.67,-88.56
no net on Component Side "AntmicroLogo" (solid, pour order 54): 19 vertices, not listed, extent 5.693,-87.779 9.661,-84.946
no net on Component Side "AntmicroLogo" (solid, pour order 57): 24 vertices, not listed, extent 4.607,-84.209 9.631,-82.445
no net on Component Side "AntmicroLogo" (solid, pour order 63): 9.661,-75.538 9.661,-74.902 5.765,-74.902 5.765,-75.538
no net on Component Side "AntmicroLogo" (solid, pour order 66): 39 vertices, not listed, extent 5.658,-74.121 9.699,-71.735
no net on Component Side "AntmicroLogo" (solid, pour order 69): 9.661,-70.85 5.967,-70.85 5.768,-70.269 5.693,-69.52 5.701,-69.309 5.714,-69.18 6.191,-69.324 6.142,-69.512 6.126,-69.722 6.149,-69.981 6.227,-70.213 9.661,-70.213
no net on Component Side "AntmicroLogo" (solid, pour order 77): 205 vertices, not listed, extent 5.169,-98.883 81.297,-55.262
no net on Top Solder "AntmicroLogo" (solid, pour order 18): 205 vertices, not listed, extent 5.171,-98.881 81.297,-55.262
no net on Top Solder "AntmicroLogo" (solid, pour order 34): 319 vertices, not listed, extent 1.871,-101.978 13.053,-92.215
no net on Top Solder "AntmicroLogo" (solid, pour order 16): 33 vertices, not listed, extent 5.644,-68.706 9.685,-65.626
no net on Top Solder "AntmicroLogo" (solid, pour order 8): 113 vertices, not listed, extent 5.687,-81.388 9.667,-76.374
no net on Top Solder "AntmicroLogo" (solid, pour order 2): 34 vertices, not listed, extent 5.629,-91.336 9.67,-88.56
no net on Top Solder "AntmicroLogo" (solid, pour order 4): 19 vertices, not listed, extent 5.693,-87.779 9.661,-84.946
no net on Top Solder "AntmicroLogo" (solid, pour order 6): 24 vertices, not listed, extent 4.607,-84.209 9.631,-82.445
no net on Top Solder "AntmicroLogo" (solid, pour order 10): 9.661,-75.538 9.661,-74.902 5.765,-74.902 5.765,-75.538
no net on Top Solder "AntmicroLogo" (solid, pour order 12): 39 vertices, not listed, extent 5.658,-74.121 9.699,-71.735
no net on Top Solder "AntmicroLogo" (solid, pour order 14): 9.661,-70.85 5.967,-70.85 5.768,-70.269 5.693,-69.52 5.701,-69.309 5.714,-69.18 6.191,-69.324 6.142,-69.512 6.126,-69.722 6.149,-69.981 6.227,-70.213 9.661,-70.213
GND on Ground Plane (split plane): 45 vertices, not listed, extent 0.51,-120.49 110.49,-0.51

## Keep-outs
Keep-Out Layer:
  lines w0.152: 0,0 0,-111 12,-111 12,-121 99,-121 99,-111 111,-111 111,-0.004
  lines w0.254: 0,0 37,0 37,-10.67 74,-10.67 74,-0.002 110.998,-0.002

## Other copper
Component Side:
  pour cut-out: 8.807,-90.589 8.455,-90.649 8.014,-90.542 7.703,-90.233 7.499,-89.738 7.378,-89.074 9.149,-89.074 9.203,-89.204 9.244,-89.36 9.27,-89.534 9.279,-89.717 9.225,-90.119 9.066,-90.411
  pour cut-out: 8.564,-67.992 8.291,-68.053 7.991,-68.088 7.673,-68.099 7.355,-68.088 7.057,-68.053 6.786,-67.992 6.548,-67.901 6.351,-67.779 6.202,-67.623 6.108,-67.429 6.075,-67.195 6.108,-66.961 6.202,-66.767 6.351,-66.61 6.548,-66.488 6.786,-66.398 7.057,-66.337 7.355,-66.302 7.673,-66.291 7.991,-66.302 8.291,-66.337 8.564,-66.398 8.804,-66.488 9.003,-66.61 9.154,-66.767 9.251,-66.961 9.284,-67.195 9.251,-67.429 9.154,-67.623 9.003,-67.779 8.804,-67.901
  pour cut-out: 8.908,-98.369 cw(c8.754,-98.369) 8.754,-98.523 cw(c8.754,-98.369) 8.599,-98.369 cw(c8.754,-98.369) 8.754,-98.214 cw(c8.754,-98.369)
  pour cut-out: 7.614,-98.561 cw(c7.46,-98.561) 7.46,-98.716 cw(c7.46,-98.561) 7.305,-98.561 cw(c7.46,-98.561) 7.46,-98.407 cw(c7.46,-98.561)
  pour cut-out: 8.754,-95.983 ccw(c8.754,-95.828) 8.908,-95.828 ccw(c8.754,-95.828) 8.754,-95.674 ccw(c8.754,-95.828) 8.599,-95.828 ccw(c8.754,-95.828)
  pour cut-out: 6.32,-98.369 cw(c6.166,-98.369) 6.166,-98.523 cw(c6.166,-98.369) 6.011,-98.369 cw(c6.166,-98.369) 6.166,-98.214 cw(c6.166,-98.369)
  pour cut-out: 6.32,-95.828 cw(c6.166,-95.828) 6.166,-95.983 cw(c6.166,-95.828) 6.011,-95.828 cw(c6.166,-95.828) 6.166,-95.674 cw(c6.166,-95.828)
  pour cut-out: 9.602,-97.098 cw(c9.3,-97.098) 9.3,-97.401 cw(c9.3,-97.098) 8.997,-97.098 cw(c9.3,-97.098) 9.3,-96.796 cw(c9.3,-97.098)
  pour cut-out: 5.922,-97.098 cw(c5.62,-97.098) 5.62,-97.401 cw(c5.62,-97.098) 5.317,-97.098 cw(c5.62,-97.098) 5.62,-96.796 cw(c5.62,-97.098)
  pour cut-out: 7.614,-95.636 cw(c7.46,-95.636) 7.46,-95.791 cw(c7.46,-95.636) 7.305,-95.636 cw(c7.46,-95.636) 7.46,-95.481 cw(c7.46,-95.636)
  text "AXIOM Gamma" at 14.614,-90.727 h3.05 r90
  text "Low Speed Bridge" at 17.572,-90.725 h3.05 r90
  text "Rev.1.1    12/2016" at 21.345,-90.725 h2.03 r90
Solder Side:
  rectangle net 2V: 39.8,-27.4 43.7,-23.5
  rectangle net VCC_BACKPLANE: 33,-39.7 41.1,-33.6
  rectangle net VCC_BATT: 32.3,-57.1 33.9,-47.2
  rectangle net BATTERY_IN: 60.9,-35.3 66.6,-23.6
  rectangle net 2V: 17.5,-56.7 19.8,-45.2
  rectangle net 2V: 14.7,-52.7 17.9,-49.2
  rectangle net GND: 16.5,-38.8 18.9,-35
  rectangle net GND: 25.3,-52.9 29.1,-51.1
  rectangle net GND: 56.5,-45.3 58.6,-42.5
  rectangle net GND: 29.1,-41.6 32.6,-40.1
  rectangle net 12V: 15.1,-29.7 16.6,-28.8
  pour cut-out: 14.92,-90.616 15.272,-90.676 15.713,-90.569 16.024,-90.26 16.228,-89.765 16.349,-89.101 14.578,-89.101 14.524,-89.231 14.483,-89.387 14.457,-89.561 14.448,-89.744 14.502,-90.146 14.661,-90.438
  pour cut-out: 15.163,-68.019 15.436,-68.08 15.736,-68.115 16.054,-68.126 16.372,-68.115 16.67,-68.08 16.941,-68.019 17.179,-67.928 17.376,-67.806 17.525,-67.65 17.619,-67.456 17.652,-67.222 17.619,-66.988 17.525,-66.794 17.376,-66.637 17.179,-66.515 16.941,-66.425 16.67,-66.364 16.372,-66.329 16.054,-66.318 15.736,-66.329 15.436,-66.364 15.163,-66.425 14.923,-66.515 14.724,-66.637 14.573,-66.794 14.476,-66.988 14.443,-67.222 14.476,-67.456 14.573,-67.65 14.724,-67.806 14.923,-67.928
  region net BATTERY_IN_FUSED: 64.7,-35.7 56.3,-35.7 56.3,-42.3 59.9,-42.3 59.9,-38.6 64.7,-38.6
  region net VCC_BATT: 10.5,-57.7 10.5,-62.3 1.4,-62.3 1.4,-57.5 5.9,-57.5 5.9,-58.4 8.7,-58.4 8.7,-57.7
  region net VCC_BATT: 55.2,-41.8 50.1,-41.8 50.1,-37.5 43,-37.5 43,-33.3 55.2,-33.3
  region net 12V: 20.6,-14 52.7,-14 52.7,-27.5 52.8,-27.6 48.7,-27.6 48.7,-16.3 23.4,-16.3 23.4,-29.7 20.6,-29.7
  region net GND: 20.027,-106.889 20.027,-109.175 81.6,-109.2 81.6,-106.9
  region net NetC3_1: 12.7,-57.7 30.7,-57.7 30.7,-63.7 16.7,-63.7 16.7,-60 12.7,-60
  pour cut-out: 16.113,-95.663 ccw(c16.267,-95.663) 16.267,-95.818 ccw(c16.267,-95.663) 16.422,-95.663 ccw(c16.267,-95.663) 16.267,-95.508 ccw(c16.267,-95.663)
  pour cut-out: 17.805,-97.125 ccw(c18.107,-97.125) 18.107,-97.428 ccw(c18.107,-97.125) 18.41,-97.125 ccw(c18.107,-97.125) 18.107,-96.823 ccw(c18.107,-97.125)
  pour cut-out: 14.125,-97.125 ccw(c14.427,-97.125) 14.427,-97.428 ccw(c14.427,-97.125) 14.73,-97.125 ccw(c14.427,-97.125) 14.427,-96.823 ccw(c14.427,-97.125)
  pour cut-out: 17.407,-95.855 ccw(c17.561,-95.855) 17.561,-96.01 ccw(c17.561,-95.855) 17.716,-95.855 ccw(c17.561,-95.855) 17.561,-95.701 ccw(c17.561,-95.855)
  pour cut-out: 17.407,-98.396 ccw(c17.561,-98.396) 17.561,-98.55 ccw(c17.561,-98.396) 17.716,-98.396 ccw(c17.561,-98.396) 17.561,-98.241 ccw(c17.561,-98.396)
  pour cut-out: 14.973,-96.01 cw(c14.973,-95.855) 14.819,-95.855 cw(c14.973,-95.855) 14.973,-95.701 cw(c14.973,-95.855) 15.128,-95.855 cw(c14.973,-95.855)
  pour cut-out: 16.113,-98.588 ccw(c16.267,-98.588) 16.267,-98.743 ccw(c16.267,-98.588) 16.422,-98.588 ccw(c16.267,-98.588) 16.267,-98.434 ccw(c16.267,-98.588)
  pour cut-out: 14.819,-98.396 ccw(c14.973,-98.396) 14.973,-98.55 ccw(c14.973,-98.396) 15.128,-98.396 ccw(c14.973,-98.396) 14.973,-98.241 ccw(c14.973,-98.396)
  text "Rev.1.1    12/2016" at 2.382,-90.754 h2.03 r270
  text "Low Speed Bridge" at 6.155,-90.752 h3.05 r270
  text "AXIOM Gamma" at 9.113,-90.754 h3.05 r270

## Silkscreen, mask and mechanical layers (free items; w line width, h text height)
Bottom Overlay:
  text "W" at 89.097,-6.244 h5.08
  text "p" at 102.7,-6.9 h5.08
  text "e" at 96.038,-7.025 h5.08
  text "GND" at 48.616,-29.2 h1.52
  text "GND" at 57.2,-29.2 h1.52
  text "BAT" at 65.6,-29.2 h1.52
  text "GND" at 71.4,-29.2 h1.52
  text "2V" at 42.8,-31.4 h1.52
  text "12V" at 52.654,-31.4 h1.52
Top Solder:
  pour cut-out: 8.829,-90.615 8.477,-90.676 8.036,-90.569 7.725,-90.259 7.521,-89.764 7.4,-89.1 9.171,-89.1 9.225,-89.23 9.266,-89.386 9.292,-89.56 9.301,-89.743 9.247,-90.145 9.087,-90.437
  pour cut-out: 8.567,-67.996 8.294,-68.057 7.994,-68.092 7.676,-68.103 7.358,-68.092 7.061,-68.057 6.789,-67.996 6.552,-67.906 6.355,-67.783 6.206,-67.627 6.111,-67.433 6.078,-67.199 6.111,-66.965 6.206,-66.771 6.355,-66.614 6.552,-66.492 6.789,-66.402 7.061,-66.341 7.358,-66.306 7.676,-66.295 7.994,-66.306 8.294,-66.341 8.567,-66.402 8.807,-66.492 9.007,-66.614 9.158,-66.771 9.254,-66.965 9.288,-67.199 9.254,-67.433 9.158,-67.627 9.007,-67.783 8.807,-67.906
  pour cut-out: 9.604,-97.097 cw(c9.302,-97.097) 9.302,-97.4 cw(c9.302,-97.097) 8.999,-97.097 cw(c9.302,-97.097) 9.302,-96.794 cw(c9.302,-97.097)
  pour cut-out: 8.91,-98.367 cw(c8.756,-98.367) 8.756,-98.522 cw(c8.756,-98.367) 8.601,-98.367 cw(c8.756,-98.367) 8.756,-98.213 cw(c8.756,-98.367)
  pour cut-out: 6.322,-98.367 cw(c6.168,-98.367) 6.168,-98.522 cw(c6.168,-98.367) 6.013,-98.367 cw(c6.168,-98.367) 6.168,-98.213 cw(c6.168,-98.367)
  pour cut-out: 5.925,-97.097 cw(c5.622,-97.097) 5.622,-97.4 cw(c5.622,-97.097) 5.319,-97.097 cw(c5.622,-97.097) 5.622,-96.794 cw(c5.622,-97.097)
  pour cut-out: 6.322,-95.827 cw(c6.168,-95.827) 6.168,-95.981 cw(c6.168,-95.827) 6.013,-95.827 cw(c6.168,-95.827) 6.168,-95.672 cw(c6.168,-95.827)
  pour cut-out: 7.616,-95.634 cw(c7.462,-95.634) 7.462,-95.789 cw(c7.462,-95.634) 7.307,-95.634 cw(c7.462,-95.634) 7.462,-95.48 cw(c7.462,-95.634)
  pour cut-out: 7.616,-98.56 cw(c7.462,-98.56) 7.462,-98.714 cw(c7.462,-98.56) 7.307,-98.56 cw(c7.462,-98.56) 7.462,-98.405 cw(c7.462,-98.56)
  pour cut-out: 8.756,-95.981 ccw(c8.756,-95.827) 8.91,-95.827 ccw(c8.756,-95.827) 8.756,-95.672 ccw(c8.756,-95.827) 8.601,-95.827 ccw(c8.756,-95.827)
  text "AXIOM Gamma" at 14.614,-90.725 h3.05 r90
  text "Low Speed Bridge" at 17.572,-90.722 h3.05 r90
  text "Rev.1.1    12/2016" at 21.345,-90.727 h2.03 r90
Bottom Solder:
  pour cut-out: 14.92,-90.616 15.272,-90.676 15.713,-90.569 16.024,-90.26 16.228,-89.765 16.349,-89.101 14.578,-89.101 14.524,-89.231 14.483,-89.387 14.457,-89.561 14.448,-89.744 14.502,-90.146 14.661,-90.438
  pour cut-out: 15.16,-68.023 15.433,-68.084 15.733,-68.119 16.051,-68.13 16.369,-68.119 16.666,-68.084 16.938,-68.023 17.175,-67.933 17.372,-67.81 17.521,-67.654 17.616,-67.46 17.649,-67.226 17.616,-66.992 17.521,-66.798 17.372,-66.641 17.175,-66.519 16.938,-66.429 16.666,-66.368 16.369,-66.333 16.051,-66.322 15.733,-66.333 15.433,-66.368 15.16,-66.429 14.92,-66.519 14.72,-66.641 14.569,-66.798 14.473,-66.992 14.439,-67.226 14.473,-67.46 14.569,-67.654 14.72,-67.81 14.92,-67.933
  pour cut-out: 14.971,-96.008 cw(c14.971,-95.854) 14.817,-95.854 cw(c14.971,-95.854) 14.971,-95.699 cw(c14.971,-95.854) 15.126,-95.854 cw(c14.971,-95.854)
  pour cut-out: 16.111,-98.587 ccw(c16.265,-98.587) 16.265,-98.741 ccw(c16.265,-98.587) 16.42,-98.587 ccw(c16.265,-98.587) 16.265,-98.432 ccw(c16.265,-98.587)
  pour cut-out: 16.111,-95.661 ccw(c16.265,-95.661) 16.265,-95.816 ccw(c16.265,-95.661) 16.42,-95.661 ccw(c16.265,-95.661) 16.265,-95.507 ccw(c16.265,-95.661)
  pour cut-out: 17.405,-95.854 ccw(c17.559,-95.854) 17.559,-96.008 ccw(c17.559,-95.854) 17.714,-95.854 ccw(c17.559,-95.854) 17.559,-95.699 ccw(c17.559,-95.854)
  pour cut-out: 17.802,-97.124 ccw(c18.105,-97.124) 18.105,-97.427 ccw(c18.105,-97.124) 18.408,-97.124 ccw(c18.105,-97.124) 18.105,-96.821 ccw(c18.105,-97.124)
  pour cut-out: 17.405,-98.394 ccw(c17.559,-98.394) 17.559,-98.549 ccw(c17.559,-98.394) 17.714,-98.394 ccw(c17.559,-98.394) 17.559,-98.24 ccw(c17.559,-98.394)
  pour cut-out: 14.817,-98.394 ccw(c14.971,-98.394) 14.971,-98.549 ccw(c14.971,-98.394) 15.126,-98.394 ccw(c14.971,-98.394) 14.971,-98.24 ccw(c14.971,-98.394)
  pour cut-out: 14.123,-97.124 ccw(c14.425,-97.124) 14.425,-97.427 ccw(c14.425,-97.124) 14.728,-97.124 ccw(c14.425,-97.124) 14.425,-96.821 ccw(c14.425,-97.124)
  text "Rev.1.1    12/2016" at 2.382,-90.752 h2.03 r270
  text "Low Speed Bridge" at 6.155,-90.749 h3.05 r270
  text "AXIOM Gamma" at 9.113,-90.752 h3.05 r270
Mechanical 1:
  lines w0.152: 24.5,-112 86.5,-112 86.5,-104 24.5,-104 24.5,-112